# Altium PCB OCP-TimeCardMini-TI_V1.PcbDoc (part 2 of 11) (continued)
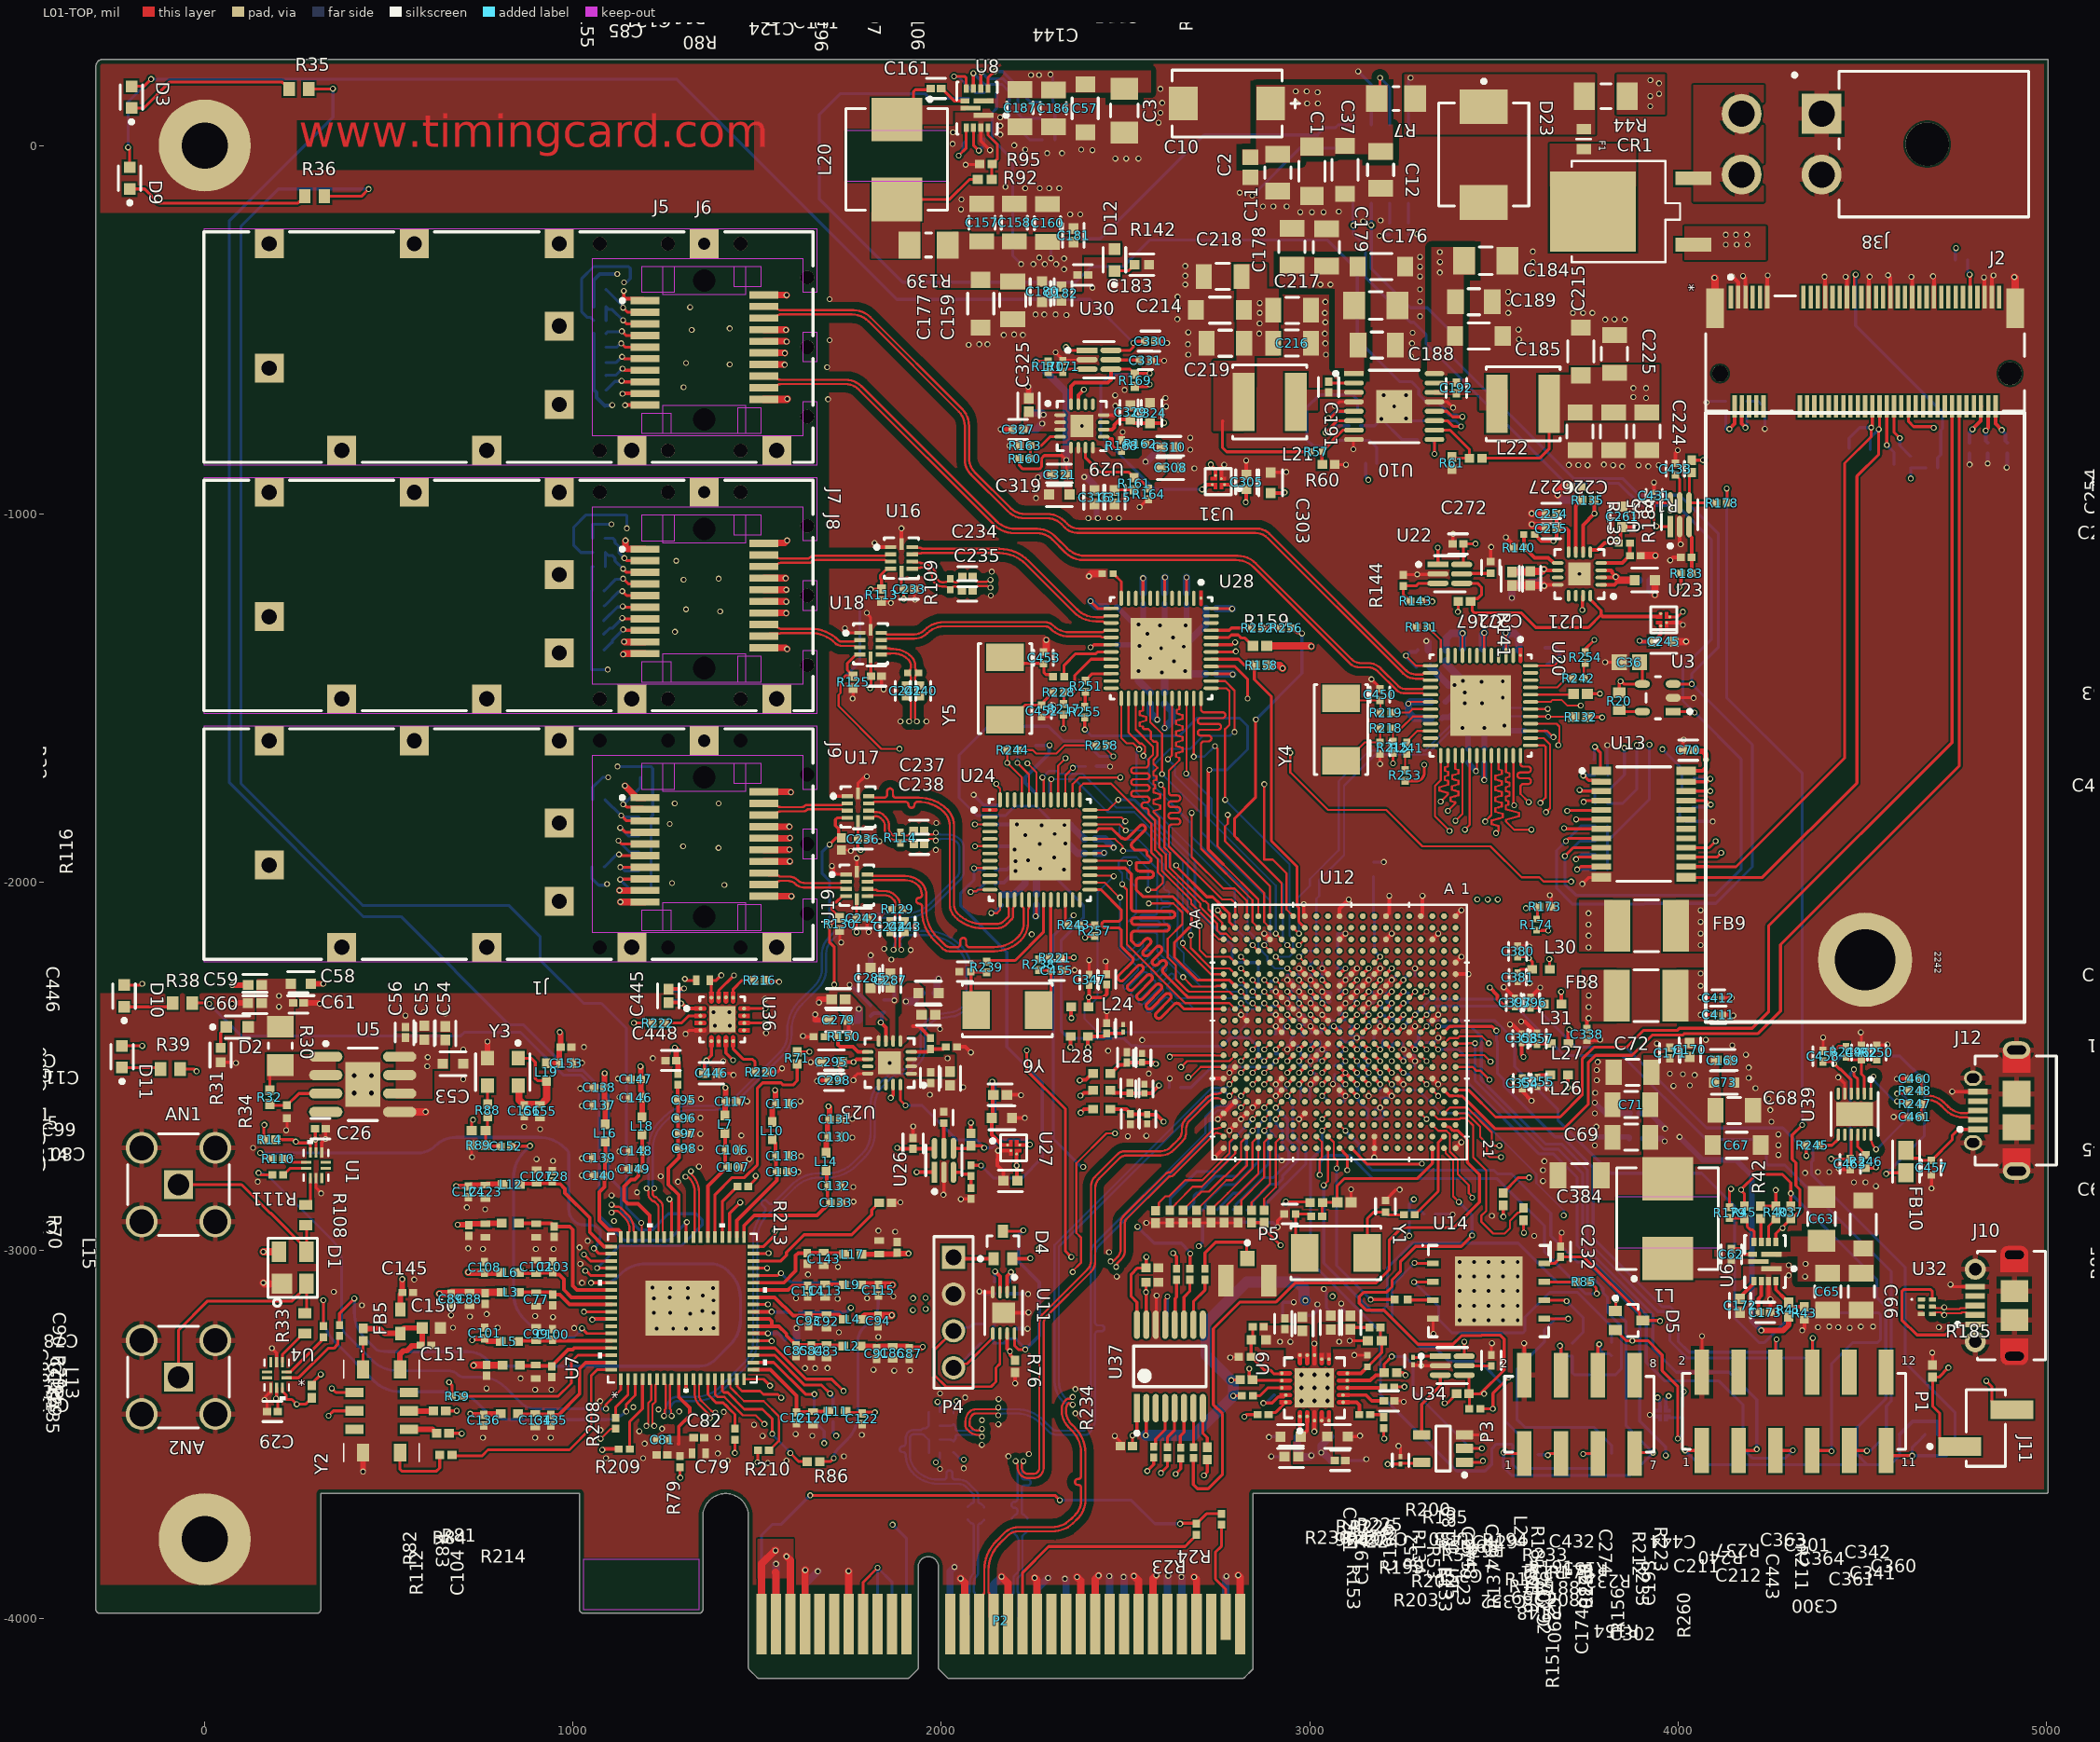
[diagram p0: L01-TOP view]
## Components (designator, comment, footprint, x,y, rotation, side; value= is the part's Value field where it differs from the comment) (continued)
R236 "4.7K_1%_0402" RESC1005X40X25NL10T10 2572.38,-3086.39 r0 top
R237 "49.9_1%_0402" RESC1005X40X25NL10T10 3580.74,-2901.3 r270 top
R238 "DNI_0_5%_0402" RESC1005X40X25LL10T10 2263.78,-2224.01 r90 top
R239 "DNI_0_5%_0402" RESC1005X40X25LL10T10 2122.82,-2230.76 r90 top
R240 "49.9_1%_0402" RESC1005X40X25NL10T10 3525.32,-2860.93 r270 top
R241 "0_5%_0402" RESC1005X40X25LL10T10 3263.72,-1636.08 r270 top
R242 "0_5%_0402" RESC1005X40X25LL10T10 3729.29,-1446.66 r0 top
R243 "0_5%_0402" RESC1005X40X25LL10T10 2359.13,-2116.23 r0 top
R244 "0_5%_0402" RESC1005X40X25LL10T10 2192.76,-1641.6 r0 top
R245 "27_1%_0402" RESC1005X40X25NL05T05 4364.96,-2714.42 r180 top
R246 "27_1%_0402" RESC1005X40X25NL05T05 4510.26,-2758.63 r270 top
R247 "27_1%_0402" RESC1005X40X25NL05T05 4642.57,-2602.42 r180 top
R248 "27_1%_0402" RESC1005X40X25NL05T05 4642.97,-2566.99 r180 top
R249 "10K_1%_0402" RESC1005X40X25LL05T10 4455.83,-2460.73 r90 top
R250 "15K_1%_0402" FP-ERJ2R-MFG 4539.42,-2462.67 r270 top value=15kΩ
R251 "0_5%_0402" RESC1005X40X25LL10T10 2391.42,-1467.96 r270 top
R252 "0_5%_0402" RESC1005X40X25LL10T10 2856.79,-1309.99 r0 top
R253 "0_5%_0402" RESC1005X40X25LL10T10 3259.13,-1710.22 r270 top
R254 "0_5%_0402" RESC1005X40X25LL10T10 3748.38,-1390.05 r90 top
R255 "0_5%_0402" RESC1005X40X25LL10T10 2389.17,-1537.97 r270 top
R256 "0_5%_0402" RESC1005X40X25LL10T10 2936.34,-1309.99 r0 top
R257 "0_5%_0402" RESC1005X40X25LL10T10 2416.11,-2131.85 r270 top
R258 "0_5%_0402" RESC1005X40X25LL10T10 2435.04,-1628.77 r0 top
R259 "DNI_0_5%_0402" RESC1005X40X25LL10T10 1980.32,-3513.53 r0 bottom
R260 "59_1%_0402" RESC1005X40X25ML10T10 3093.46,-2869.82 r180 top
U1 "PI3USB10LP-AZME" ZM10_PER 302.29,-2768.9 r0 top
U2 "INA219BIDR" FP-D0008A-MFG 3192.57,-50.2 r90 bottom
U3 "AT24MAC402-STUM-T" FP-5TS1-IPC_C 3945.12,-1499.46 r180 top
U4 "PI3USB10LP-AZME" ZM10_PER 195.29,-3338.15 r180 top
U5 "LP38512MRX-ADJ/NOPB" MRA08B_M 428.96,-2548.96 r0 top
U6 "AP62600SJ-7" FP-V-QFN2030-12_Type_A-MFG 4236.15,-3030.17 r180 top
U7 "8A34012E-000NLG" QFN_2E-000NLG_REN 1296.88,-3156.59 r90 top
U8 "AP62600SJ-7" FP-V-QFN2030-12_Type_A-MFG 2097.11,101.67 r180 top
U9 "TPS7A8801RTJT" FP-RTJ0020D-MFG 3012.95,-3372.99 r90 top
U10 "TPS542951PWPR" FP-PWP0016K-IPC_C 3229.42,-708.68 r0 top
U11 "AT24C04C-MAHM-T" FP-C04-21355-Q4B-IPC_B 2168.92,-3169.4 r270 top
U12 "AM6411AKCGHAALV" FCBGA441_ALV_TEX 3081.18,-2407.35 r270 top locked
U13 "PCA9548APW,118" FP-SOT355-1-MFG 3907.06,-1842.52 r0 top
U14 "S25FL256SAGNFI001" CYP-WSON-8_L 3485.95,-3110.4 r0 top
U15 "MIC94083YFT-TR" FP-FTDFN085085-4LD-PL-1-MFG 3959.02,-3442.87 r180 bottom
U16 "CBTL01023GM" FP-SOT1049-3-MFG 1891.49,-1119.71 r0 top
U17 "CBTL01023GM" FP-SOT1049-3-MFG 1773.73,-1796.11 r0 top
U18 "CBTL01023GM" FP-SOT1049-3-MFG 1807.74,-1352.71 r0 top
U19 "CBTL01023GM" FP-SOT1049-3-MFG 1770.28,-2008.54 r0 top
U20 "DP83869HMRGZT" FP-RGZ0048B-IPC_A 3463.94,-1520.51 r270 top
U21 "ADP323ACPZ-R7" ADI-CP-16-27_N 3732.4,-1163.14 r180 top
U22 "ADM1085AKSZ-REEL7" FP-KS-6-IPC_B 3380.43,-1163.07 r0 top
U23 "MIC94083YFT-TR" FP-FTDFN085085-4LD-PL-1-MFG 3961.08,-1287.7 r0 top
U24 "DP83869HMRGZT" FP-RGZ0048B-IPC_A 2267.72,-1912.25 r0 top
U25 "ADP323ACPZ-R7" ADI-CP-16-27_N 1859.17,-2490.56 r180 top
U26 "ADM1085AKSZ-REEL7" FP-KS-6-IPC_B 2007.06,-2755.49 r90 top
U27 "MIC94083YFT-TR" FP-FTDFN085085-4LD-PL-1-MFG 2196.44,-2721.37 r270 top
U28 "DP83869HMRGZT" FP-RGZ0048B-IPC_A 2596.72,-1365.23 r270 top
U29 "ADP323ACPZ-R7" ADI-CP-16-27_N 2381.58,-761.32 r0 top
U30 "ADM1085AKSZ-REEL7" FP-KS-6-IPC_B 2427.92,-581.6 r0 top
U31 "MIC94083YFT-TR" FP-FTDFN085085-4LD-PL-1-MFG 2752.21,-912.56 r90 top
U32 "TPD4E004DRYR" DRY0006A 4675.44,-3152.61 r0 top
U33 "SN74LVC1G08DBVR" DBV0005A_M 3362.25,-3537.84 r180 top
U34 "ADM1085AKSZ-REEL7" FP-KS-6-IPC_B 3387.15,-3312.91 r0 top
U35 "ADM1085AKSZ-REEL7" FP-KS-6-IPC_B 4004.47,-1002.46 r90 top
U36 "SI53306-B-GM" FP-SI53306-B-GM-MFG 1405.19,-2372.72 r0 top
U37 "TMUX1208PWR" FP-PW0016A-IPC_A 2620.41,-3314.92 r90 top
U39 "FT234XD-R" FP-DFN-12-IPC_B 4479.31,-2629.86 r270 top
Y1 "ABM7-25.000MHZ-D2Y-T" FP-ABM7-MFG 3071.06,-3006.43 r0 top
Y2 "SiTime_SiT5501AC-WU-33E0-10T" SITIME_SPL-086-CQFN-010-C07050_REV_DRAFT 480.14,-3435.78 r0 top
Y3 "ASEMPC-40.000MHZ-XR-T" FP-ASEMP-CMOS-MFG 809.32,-2515.61 r180 top
Y4 "ABM7-25.000MHZ-D2Y-T" FP-ABM7-MFG 3085.25,-1586.07 r90 top
Y5 "ABM7-25.000MHZ-D2Y-T" FP-ABM7-MFG 2172.9,-1474.75 r90 top
Y6 "ABM7-25.000MHZ-D2Y-T" FP-ABM7-MFG 2179.13,-2347.36 r180 top

## Footprints (in the part's own frame and the unit in brackets; to place one, negate y for a bottom-side part, rotate by r counter-clockwise, add the part's x,y. Pads: shape width x height; smd on the part's side, far side on the other; paste and mask are expansions set on the pad)
61030821121 [mm] "Pin Header, pitch 2.54 mm, SMD, Vertical, dual row, 8p"
  rect 1x3.1 smd: 1(-3.81,-2.7) 2(-3.81,2.7) 3(-1.27,-2.7) 4(-1.27,2.7) 5(1.27,-2.7) 6(1.27,2.7) 7(3.81,-2.7) 8(3.81,2.7)
  silkscreen extent -5.16,-2.62 5.16,2.62, body extent -5.08,-3.75 5.08,3.75, height 9.62
61031221121 [mm] "Pin Header, pitch 2.54 mm, SMD, Vertical, dual row, 12p"
  rect 1x3.1 smd: 1(-6.35,-2.7) 2(-6.35,2.7) 3(-3.81,-2.7) 4(-3.81,2.7) 5(-1.27,-2.7) 6(-1.27,2.7) 7(1.27,-2.7) 8(1.27,2.7) 9(3.81,-2.7) 10(3.81,2.7) 11(6.35,-2.7) 12(6.35,2.7)
  silkscreen extent -7.7,-2.62 7.7,2.62, body extent -7.62,-3.75 7.62,3.75, height 9.62
61300411121 [mm] "Pin Header, pitch 2.54 mm, THT, Vertical, single row, 4p"
  rect 1.6x1.6 hole 1.1: 1(-3.81,0)
  round 1.6 hole 1.1: 2(-1.27,0) 3(1.27,0) 4(3.81,0)
  silkscreen extent -5.23,-1.34 5.23,1.35, body extent -5.08,-1.27 5.08,1.27, height 8.57
ADI-CP-16-27_N [mm] "QFN, 16-Leads, Body 3x3mm, Pitch 0.5mm, Thermal Pad 1.55X1.55mm, IPC Medium Density"
  oval 0.8x0.25 smd: 1(-1.5,0.75) 2(-1.5,0.25) 3(-1.5,-0.25) 4(-1.5,-0.75) 9(1.5,-0.75) 10(1.5,-0.25) 11(1.5,0.25) 12(1.5,0.75)
  oval 0.25x0.8 smd: 5(-0.75,-1.5) 6(-0.25,-1.5) 7(0.25,-1.5) 8(0.75,-1.5) 13(0.75,1.5) 14(0.25,1.5) 15(-0.25,1.5) 16(-0.75,1.5)
  rect 1.55x1.55 smd: 17(0,0)
  silkscreen extent -2.48,-1.7 1.7,1.7, body extent -1.55,-1.55 1.55,1.55, height 0.8
AMPH-901-143-6RFX_V [mm] "THD, 5-Leads, Body 7x7mm, Pitch 2.54mm"
  rect 2x2 hole 1.5: 1(0,0)
  round 2.2 hole 1.7: 2(-2.54,2.54) 3(-2.54,-2.54) 4(2.54,-2.54) 5(2.54,2.54)
  silkscreen extent -3.5,-3.5 3.5,3.5, body extent -3.55,-3.55 3.55,3.55, height 9.86
CAPC1005X06N [mm] "Chip Capacitor, 0402, 2-Leads, Body 1.00x0.50mm, IPC Medium Density"
  rect 0.68x0.64 smd: 1(-0.43,0) 2(0.43,0)
  body extent -0.55,-0.3 0.55,0.3, height 0.6
CAPC1005X55X25LL05T10 [mm] "Chip Capacitor, 2-Leads, Body 1.00x0.50mm, IPC High Density"
  rect 0.56x0.52 smd: 1(-0.39,0) 2(0.39,0)
  body extent -0.53,-0.28 0.53,0.28, height 0.55
CAPC1005X55X30LL05T10 [mm] "Chip Capacitor, 2-Leads, Body 1.00x0.50mm, IPC High Density"
  rect 0.56x0.52 smd: 1(-0.38,0) 2(0.38,0)
  body extent -0.53,-0.28 0.53,0.28, height 0.55
CAPC1005X56X25LL10T15 [mm] "Chip Capacitor, 2-Leads, Body 1.00x0.50mm, IPC High Density"
  rect 0.58x0.54 smd: 1(-0.39,0) 2(0.39,0)
  body extent -0.55,-0.3 0.55,0.3, height 0.56
CAPC1005X56X25NL10T15 [mm] "Chip Capacitor, 2-Leads, Body 1.00x0.50mm, IPC Medium Density"
  rect 0.68x0.64 smd: 1(-0.44,0) 2(0.44,0)
  body extent -0.55,-0.3 0.55,0.3, height 0.56
CAPC1005X60X30LL05T10 [mm] "Chip Capacitor, 2-Leads, Body 1.00x0.50mm, IPC High Density"
  rect 0.56x0.52 smd: 1(-0.38,0) 2(0.38,0)
  body extent -0.53,-0.28 0.53,0.28, height 0.6
CAPC1206(3216)190_N [mm] "Chip Capacitor, Body 3.2x1.6mm, Height 1.9mm, IPC Medium Density"
  rect 1.15x1.8 smd: 1(-1.5,0) 2(1.5,0)
  silkscreen extent -0.55,-0.8 0.55,0.8, body extent -1.7,-0.9 1.7,0.9, height 1.9
CAPC1608X87X35NL15T15 [mm] "Chip Capacitor, 2-Leads, Body 1.60x0.80mm, IPC Medium Density"
  rect 0.9x1 smd: 1(-0.675,0) 2(0.675,0)
  body extent -0.87,-0.48 0.87,0.47, height 0.87
CAPC1608X87X45ML20T05 [mm] "Chip Capacitor, 2-Leads, Body 1.60x0.80mm, IPC Low Density"
  rect 1.05x1.1 smd: 1(-0.7,0) 2(0.7,0)
  body extent -0.9,-0.5 0.9,0.5, height 0.87
CYP-WSON-8_L [mm] "SON, 8-Leads, Body 6x8mm, Pitch 1.27mm, Thermal Pad 4.8x4.65mm, IPC High Density"
  rect 0.8x0.4 smd: 1(-3.84,1.905) 2(-3.84,0.635) 3(-3.84,-0.635) 4(-3.84,-1.905) 5(3.84,-1.905) 6(3.84,-0.635) 7(3.84,0.635) 8(3.84,1.905)
  rect 4.65x4.8 smd paste-2.325: 9(0,0)
  silkscreen extent -4.6,-3.15 4.15,3.2, body extent -4,-3 4,3, height 0.8
DBV0005A_M [mm] "SOT23, 5-Leads, Body 3.05x1.75mm, Pitch 0.95mm, IPC Low Density"
  rrect15% 1.2x0.65 smd: 1(-1.475,0.95) 2(-1.475,0) 3(-1.475,-0.95) 4(1.475,-0.95) 5(1.475,0.95)
  silkscreen extent -1.6,-1.55 0.5,1.95, body extent -1.42,-1.46 1.42,1.46, height 1.08
DRY0006A [mm] "SON, 6-Leads, Body 1.45x1mm, Pitch 0.5mm"
  rrect33% 0.52x0.3 smd: 1(-0.37,0.5)
  rrect33% 0.49x0.3 smd: 2(-0.385,0) 3(-0.385,-0.5) 4(0.385,-0.5) 5(0.385,0) 6(0.385,0.5)
  silkscreen extent -1.08,0.45 -0.98,0.55, body extent -0.5,-0.72 0.5,0.72, height 0.6
FCBGA441_ALV_TEX [mil]
  round 16 smd paste+0 mask+0: A1(-315,315) A2(-283.5,315) A3(-252,315) A4(-220.5,315) A5(-189,315) A6(-157.5,315) A7(-126,315) A8(-94.5,315) A9(-63,315) A10(-31.5,315) A11(0,315) A12(31.5,315) A13(63,315) A14(94.5,315) A15(126,315) A16(157.5,315) A17(189,315) A18(220.5,315) A19(252,315) A20(283.5,315) A21(315,315) AA1(-315,-315) AA2(-283.5,-315) AA3(-252,-315) AA4(-220.5,-315) AA5(-189,-315) AA6(-157.5,-315) AA7(-126,-315) AA8(-94.5,-315) AA9(-63,-315) AA10(-31.5,-315) AA11(0,-315) AA12(31.5,-315) AA13(63,-315) AA14(94.5,-315) AA15(126,-315) AA16(157.5,-315) AA17(189,-315) AA18(220.5,-315) AA19(252,-315) AA20(283.5,-315) AA21(315,-315) B1(-315,283.5) B2(-283.5,283.5) B3(-252,283.5) B4(-220.5,283.5) B5(-189,283.5) B6(-157.5,283.5) B7(-126,283.5) B8(-94.5,283.5) B9(-63,283.5) B10(-31.5,283.5) B11(0,283.5) B12(31.5,283.5) B13(63,283.5) B14(94.5,283.5) B15(126,283.5) B16(157.5,283.5) B17(189,283.5) B18(220.5,283.5) B19(252,283.5) B20(283.5,283.5) B21(315,283.5) C1(-315,252) C2(-283.5,252) C3(-252,252) C4(-220.5,252) C5(-189,252) C6(-157.5,252) C7(-126,252) C8(-94.5,252) C9(-63,252) C10(-31.5,252) C11(0,252) C12(31.5,252) C13(63,252) C14(94.5,252) C15(126,252) C16(157.5,252) C17(189,252) C18(220.5,252) C19(252,252) C20(283.5,252) C21(315,252) D1(-315,220.5) D2(-283.5,220.5) D3(-252,220.5) D4(-220.5,220.5) D5(-189,220.5) D6(-157.5,220.5) D7(-126,220.5) D8(-94.5,220.5) D9(-63,220.5) D10(-31.5,220.5) D11(0,220.5) D12(31.5,220.5) D13(63,220.5) D14(94.5,220.5) D15(126,220.5) D16(157.5,220.5) D17(189,220.5) D18(220.5,220.5) D19(252,220.5) D20(283.5,220.5) D21(315,220.5) E1(-315,189) E2(-283.5,189) E3(-252,189) E4(-220.5,189) E5(-189,189) E6(-157.5,189) E7(-126,189) E8(-94.5,189) E9(-63,189) E10(-31.5,189) E11(0,189) E12(31.5,189) E13(63,189) E14(94.5,189) E15(126,189) E16(157.5,189) E17(189,189) E18(220.5,189) E19(252,189) E20(283.5,189) E21(315,189) F1(-315,157.5) F2(-283.5,157.5) F3(-252,157.5) F4(-220.5,157.5) F5(-189,157.5) F6(-157.5,157.5) F7(-126,157.5) F8(-94.5,157.5) F9(-63,157.5) F10(-31.5,157.5) F11(0,157.5) F12(31.5,157.5) F13(63,157.5) F14(94.5,157.5) F15(126,157.5) F16(157.5,157.5) F17(189,157.5) F18(220.5,157.5) F19(252,157.5) F20(283.5,157.5) F21(315,157.5) G1(-315,126) G2(-283.5,126) G3(-252,126) G4(-220.5,126) G5(-189,126) G6(-157.5,126) G7(-126,126) G8(-94.5,126) G9(-63,126) G10(-31.5,126) G11(0,126) G12(31.5,126) G13(63,126) G14(94.5,126) G15(126,126) G16(157.5,126) G17(189,126) G18(220.5,126) G19(252,126) G20(283.5,126) G21(315,126) H1(-315,94.5) H2(-283.5,94.5) H3(-252,94.5) H4(-220.5,94.5) H5(-189,94.5) H6(-157.5,94.5) H7(-126,94.5) H8(-94.5,94.5) H9(-63,94.5) H10(-31.5,94.5) H11(0,94.5) H12(31.5,94.5) H13(63,94.5) H14(94.5,94.5) H15(126,94.5) H16(157.5,94.5) H17(189,94.5) H18(220.5,94.5) H19(252,94.5) H20(283.5,94.5) H21(315,94.5) J1(-315,63) J2(-283.5,63) J3(-252,63) J4(-220.5,63) J5(-189,63) J6(-157.5,63) J7(-126,63) J8(-94.5,63) J9(-63,63) J10(-31.5,63) J11(0,63) J12(31.5,63) J13(63,63) J14(94.5,63) J15(126,63) J16(157.5,63) J17(189,63) J18(220.5,63) J19(252,63) J20(283.5,63) J21(315,63) K1(-315,31.5) K2(-283.5,31.5) K3(-252,31.5) K4(-220.5,31.5) K5(-189,31.5) K6(-157.5,31.5) K7(-126,31.5) K8(-94.5,31.5) K9(-63,31.5) K10(-31.5,31.5) K11(0,31.5) K12(31.5,31.5) K13(63,31.5) K14(94.5,31.5) K15(126,31.5) K16(157.5,31.5) K17(189,31.5) K18(220.5,31.5) K19(252,31.5) K20(283.5,31.5) K21(315,31.5) L1(-315,0) L2(-283.5,0) L3(-252,0) L4(-220.5,0) L5(-189,0) L6(-157.5,0) L7(-126,0) L8(-94.5,0) L9(-63,0) L10(-31.5,0) L11(0,0) L12(31.5,0) L13(63,0) L14(94.5,0) L15(126,0) L16(157.5,0) L17(189,0) L18(220.5,0) L19(252,0) L20(283.5,0) L21(315,0) M1(-315,-31.5) M2(-283.5,-31.5) M3(-252,-31.5) M4(-220.5,-31.5) M5(-189,-31.5) M6(-157.5,-31.5) M7(-126,-31.5) M8(-94.5,-31.5) M9(-63,-31.5) M10(-31.5,-31.5) M11(0,-31.5) M12(31.5,-31.5) M13(63,-31.5) M14(94.5,-31.5) M15(126,-31.5) M16(157.5,-31.5) M17(189,-31.5) M18(220.5,-31.5) M19(252,-31.5) M20(283.5,-31.5) M21(315,-31.5) N1(-315,-63) N2(-283.5,-63) N3(-252,-63) N4(-220.5,-63) N5(-189,-63) N6(-157.5,-63) N7(-126,-63) N8(-94.5,-63) N9(-63,-63) N10(-31.5,-63) N11(0,-63) N12(31.5,-63) N13(63,-63) N14(94.5,-63) N15(126,-63) N16(157.5,-63) N17(189,-63) N18(220.5,-63) N19(252,-63) N20(283.5,-63) N21(315,-63) P1(-315,-94.5) P2(-283.5,-94.5) P3(-252,-94.5) P4(-220.5,-94.5) P5(-189,-94.5) P6(-157.5,-94.5) P7(-126,-94.5) P8(-94.5,-94.5) P9(-63,-94.5) P10(-31.5,-94.5) P11(0,-94.5) P12(31.5,-94.5) P13(63,-94.5) P14(94.5,-94.5) P15(126,-94.5) P16(157.5,-94.5) P17(189,-94.5) P18(220.5,-94.5) P19(252,-94.5) P20(283.5,-94.5) P21(315,-94.5) R1(-315,-126) R2(-283.5,-126) R3(-252,-126) R4(-220.5,-126) R5(-189,-126) R6(-157.5,-126) R7(-126,-126) R8(-94.5,-126) R9(-63,-126) R10(-31.5,-126) R11(0,-126) R12(31.5,-126) R13(63,-126) R14(94.5,-126) R15(126,-126) R16(157.5,-126) R17(189,-126) R18(220.5,-126) R19(252,-126) R20(283.5,-126) R21(315,-126) T1(-315,-157.5) T2(-283.5,-157.5) T3(-252,-157.5) T4(-220.5,-157.5) T5(-189,-157.5) T6(-157.5,-157.5) T7(-126,-157.5) T8(-94.5,-157.5) T9(-63,-157.5) T10(-31.5,-157.5) T11(0,-157.5) T12(31.5,-157.5) T13(63,-157.5) T14(94.5,-157.5) T15(126,-157.5) T16(157.5,-157.5) T17(189,-157.5) T18(220.5,-157.5) T19(252,-157.5) T20(283.5,-157.5) T21(315,-157.5) U1(-315,-189) U2(-283.5,-189) U3(-252,-189) U4(-220.5,-189) U5(-189,-189) U6(-157.5,-189) U7(-126,-189) U8(-94.5,-189) U9(-63,-189) U10(-31.5,-189) U11(0,-189) U12(31.5,-189) U13(63,-189) U14(94.5,-189) U15(126,-189) U16(157.5,-189) U17(189,-189) U18(220.5,-189) U19(252,-189) U20(283.5,-189) U21(315,-189) V1(-315,-220.5) V2(-283.5,-220.5) V3(-252,-220.5) V4(-220.5,-220.5) V5(-189,-220.5) V6(-157.5,-220.5) V7(-126,-220.5) V8(-94.5,-220.5) V9(-63,-220.5) V10(-31.5,-220.5) V11(0,-220.5) V12(31.5,-220.5) V13(63,-220.5) V14(94.5,-220.5) V15(126,-220.5) V16(157.5,-220.5) V17(189,-220.5) V18(220.5,-220.5) V19(252,-220.5) V20(283.5,-220.5) V21(315,-220.5) W1(-315,-252) W2(-283.5,-252) W3(-252,-252) W4(-220.5,-252) W5(-189,-252) W6(-157.5,-252) W7(-126,-252) W8(-94.5,-252) W9(-63,-252) W10(-31.5,-252) W11(0,-252) W12(31.5,-252) W13(63,-252) W14(94.5,-252) W15(126,-252) W16(157.5,-252) W17(189,-252) W18(220.5,-252) W19(252,-252) W20(283.5,-252) W21(315,-252) Y1(-315,-283.5) Y2(-283.5,-283.5) Y3(-252,-283.5) Y4(-220.5,-283.5) Y5(-189,-283.5) Y6(-157.5,-283.5) Y7(-126,-283.5) Y8(-94.5,-283.5) Y9(-63,-283.5) Y10(-31.5,-283.5) Y11(0,-283.5) Y12(31.5,-283.5) Y13(63,-283.5) Y14(94.5,-283.5) Y15(126,-283.5) Y16(157.5,-283.5) Y17(189,-283.5) Y18(220.5,-283.5) Y19(252,-283.5) Y20(283.5,-283.5) Y21(315,-283.5)
  Keep-Out Layer region: -728.05,2493.97 -728.05,3190.47 -31.55,3190.47 -31.55,2493.97
  silkscreen extent -351,-351 351,351, body extent -341,-341 341,341, height 104
FP-5TS1-IPC_C [mm]
  rect 1.038x0.532 smd paste+0 mask+0: 1(-1.066,0.95)
  rrect100% 1.038x0.532 smd paste+0 mask+0: 2(-1.066,0) 3(-1.066,-0.95) 4(1.066,-0.95) 5(1.066,0.95)
  silkscreen extent -2.34,-1.45 0.8,1.45, body extent -1.69,-1.55 1.69,1.55, height 0.25
FP-39-30-0040-MFG [mil]
  rect 108.27x108.27 hole 70.87 paste-39370.1 mask+0: 1(82.5,297)
  round 108.27 hole 70.87 paste-39370.1 mask+0: 2(-82.5,297) 3(82.5,514) 4(-82.5,514)
  round 118 hole 118 unplated paste-39370.1 mask+0: ""(0,10)
  silkscreen extent -198,-265 197,375, body extent -201,-269 201,572, height 10
FP-0402-L_1_0_0_05-W_0_5-IPC_A [mil]
  rect 28.16x26.48 smd paste+0 mask+0: 1(-18.84,0) 2(18.84,0)
  silkscreen extent -33,-29 33,29, body extent -20,-10 20,10, height 22
FP-0402-L_1_0_1-W_0_5_0_1-IPC_C [mil]
  rect 22.88x20.16 smd paste+0 mask+0: 1(-14.39,0) 2(14.39,0)
  silkscreen extent -26,-28 26,28, body extent -20,-10 20,10, height 22
FP-0603-L_1_6_0_2-W_0_8_0-MFG [mm]
  rect 0.7x0.7 smd paste+0 mask+0: 1(-0.7,0) 2(0.7,0)
  silkscreen extent -0.9,-0.82 0.9,0.82, body extent -0.8,-0.4 0.8,0.4, height 1
FP-1206-L_3_2_0_2-W_1_6_0-IPC_A [mil]
  rect 59.24x75.05 smd paste+0 mask+0: 1(-59.09,0) 2(59.09,0)
  silkscreen extent -18,-38 18,38, body extent -108,-57 108,57, height 10
FP-1206-L_3_2_0_2-W_1_6_0-IPC_C [mil]
  rect 43.49x67.17 smd paste+0 mask+0: 1(-51.21,0) 2(51.21,0)
  silkscreen extent -18,-35 18,35, body extent -77,-39 77,39, height 10
FP-87898-0204-MFG [mm]
  rect 1.27x2.96 smd paste+0 mask+0: 1(-1.27,1.8) 2(1.27,-1.8)
  silkscreen extent -2.64,-1.36 2.64,3.97, body extent -2.74,-3.38 2.74,3.38, height 0.25
FP-2199119-3-MFG [mm]
  rect 0.3x1.55 smd paste+0 mask+0: 1(-9.25,3.9) 2(-9,-3.65) 3(-8.75,3.9) 4(-8.5,-3.65) 5(-8.25,3.9) 6(-8,-3.65) 7(-7.75,3.9) 8(-7.5,-3.65) 9(-7.25,3.9) 10(-7,-3.65) 11(-6.75,3.9) 20(-4.5,-3.65) 21(-4.25,3.9) 22(-4,-3.65) 23(-3.75,3.9) 24(-3.5,-3.65) 25(-3.25,3.9) 26(-3,-3.65) 27(-2.75,3.9) 28(-2.5,-3.65) 29(-2.25,3.9) 30(-2,-3.65) 31(-1.75,3.9) 32(-1.5,-3.65) 33(-1.25,3.9) 34(-1,-3.65) 35(-0.75,3.9) 36(-0.5,-3.65) 37(-0.25,3.9) 38(0,-3.65) 39(0.25,3.9) 40(0.5,-3.65) 41(0.75,3.9) 42(1,-3.65) 43(1.25,3.9) 44(1.5,-3.65) 45(1.75,3.9) 46(2,-3.65) 47(2.25,3.9) 48(2.5,-3.65) 49(2.75,3.9) 50(3,-3.65) 51(3.25,3.9) 52(3.5,-3.65) 53(3.75,3.9) 54(4,-3.65) 55(4.25,3.9) 56(4.5,-3.65) 57(4.75,3.9) 58(5,-3.65) 59(5.25,3.9) 60(5.5,-3.65) 61(5.75,3.9) 62(6,-3.65) 63(6.25,3.9) 64(6.5,-3.65) 65(6.75,3.9) 66(7,-3.65) 67(7.25,3.9) 68(7.5,-3.65) 69(7.75,3.9) 70(8,-3.65) 71(8.25,3.9) 72(8.5,-3.65) 73(8.75,3.9) 74(9,-3.65) 75(9.25,3.9)
  rect 1.2x2.75 smd paste+0 mask+0: 76(-10.35,3.125) 77(10.35,3.125)
  round 1.1 hole 1.1 unplated paste-1000 mask+0: ""(-10,-1.375)
  round 1.6 hole 1.6 unplated paste-1000 mask+0: ""(10,-1.375)
  silkscreen extent -11,-3.98 11,5.4, body extent -11.1,-4.52 11.1,4.77, height 0.25
FP-742792641-MFG [mm]
  rect 0.95x0.7 smd paste+0 mask+0: 1(-0.825,0) 2(0.825,0)
  body extent -1.4,-0.6 1.4,0.6, height 0.25
FP-ABM7-MFG [mm]
  rect 1.9x2.6 smd paste+0 mask+0: 1(-2.15,0) 2(2.15,0)
  silkscreen extent -3.1,-1.85 3.1,1.85, body extent -3.2,-1.95 3.2,1.95, height 0.25
FP-AC0402-0_37-IPC_B [mil]
  rect 24.23x22.54 smd paste+0 mask+0: 1(-16.87,0) 2(16.87,0)
  body extent -35,-17 35,17, height 10
FP-ASEMP-CMOS-MFG [mm]
  rect 0.9x1 smd paste+0 mask+0: 1(-1.05,-0.95) 3(1.05,-0.95) 4(1.05,0.95) 6(-1.05,0.95)
  silkscreen extent -1.87,-2.12 1.87,1.28, body extent -1.73,-1.55 1.73,1.55, height 0.25
FP-BLM18-0_15-t0_8-IPC_A [mil]
  rect 51.42x41.66 smd paste+0 mask+0: 1(-30.55,0) 2(30.55,0)
  silkscreen extent -56,-37 56,37, body extent -76,-41 76,41, height 10
FP-BLM18-0_15-t0_8-IPC_B [mil]
  rect 43.55x37.73 smd paste+0 mask+0: 1(-26.62,0) 2(26.62,0)
  body extent -31,-16 31,16, height 37
FP-C04-21355-Q4B-IPC_B [mm]
  rect 0.861x0.239 smd paste+0 mask+0: 1(-1.426,0.75)
  rrect100% 0.861x0.239 smd paste+0 mask+0: 2(-1.426,0.25) 3(-1.426,-0.25) 4(-1.426,-0.75) 5(1.426,-0.75) 6(1.426,-0.25) 7(1.426,0.25) 8(1.426,0.75)
  rect 1.4x1.6 smd paste-1000 mask+0: 9(0,0)
  silkscreen extent -2.57,-1.3 1.5,1.3, body extent -2.11,-1.25 2.11,1.25, height 0.25
FP-C0402-BB-MFG [mm]
  rect 0.52x0.52 smd paste+0 mask+0: 1(-0.4,0) 2(0.4,0)
  silkscreen extent -0.5,-0.64 0.5,0.64, body extent -0.8,-0.4 0.8,0.4, height 0.25
FP-C0603C106M9PACTU-MFG [mm]
  rect 0.75x0.9 smd paste+0 mask+0: 1(-0.6,0) 2(0.6,0)
  silkscreen extent -0.88,-0.83 0.87,0.82, body extent -0.8,-0.4 0.8,0.4, height 0.9
FP-C1005-050-0_05-IPC_A [mil]
  rect 29.11x26.48 smd paste+0 mask+0: 1(-18.37,0) 2(18.37,0)
  silkscreen extent -33,-29 33,29, body extent -20,-10 20,10, height 22
FP-C1005-050-0_05-IPC_C [mil]
  rect 21.23x18.6 smd paste+0 mask+0: 1(-14.43,0) 2(14.43,0)
  body extent -29,-15 29,15, height 10
FP-C3216-160-0_2-MFG [mm]
  rect 1.1x1.35 smd paste+0 mask+0: 1(-1.65,0) 2(1.65,0)
  silkscreen extent -0.73,-0.9 0.73,0.9, body extent -2.3,-1 2.3,1, height 0.25
FP-CBR04C-MFG [mm]
  rect 0.52x0.52 smd paste+0 mask+0: 1(-0.4,0) 2(0.4,0)
  silkscreen extent -0.53,-0.68 0.53,0.67, body extent -0.8,-0.4 0.8,0.4, height 0.25
FP-CC0402-MFG [mm]
  rect 0.5x0.5 smd paste+0 mask+0: 1(-0.5,0) 2(0.5,0)
  silkscreen extent -0.53,-0.68 0.53,0.67, body extent -0.87,-0.48 0.87,0.48, height 0.25
FP-CL03-IPC_B [mil]
  rect 17.88x14.28 smd paste+0 mask+0: 1(-11.98,0) 2(11.98,0)
  silkscreen extent -21,-23 21,23, body extent -12,-6 12,6, height 13
FP-CL03-IPC_C [mil]
  rect 13.94x10.34 smd paste+0 mask+0: 1(-10.01,0) 2(10.01,0)
  silkscreen extent -17,-22 17,22, body extent -12,-6 12,6, height 13
FP-CL05A106MP5NUNC-MFG [mm]
  rect 0.45x0.675 smd paste+0 mask+0: 1(-0.463,0) 2(0.462,0)
  silkscreen extent -0.6,-0.62 0.6,0.63, body extent -0.5,-0.25 0.5,0.25, height 0.7
FP-CL10-IPC_C [mil]
  rect 29.85x31.97 smd paste+0 mask+0: 1(-24.68,0) 2(24.69,0)
  body extent -44,-22 44,22, height 10
FP-CL165-IPC_C [mil]
  rect 20.29x18.6 smd paste+0 mask+0: 1(-14.9,0) 2(14.9,0)
  silkscreen extent -25,-27 25,27, body extent -29,-15 29,15, height 10
FP-CL829-IPC_C [mil]
  rect 20.29x18.6 smd paste+0 mask+0: 1(-14.9,0) 2(14.9,0)
  silkscreen extent -25,-27 25,27, body extent -20,-10 20,10, height 22
FP-D0008A-MFG [mm]
  rrect17% 1.55x0.6 smd paste+0 mask+0: 1(-2.7,1.905) 2(-2.7,0.635) 3(-2.7,-0.635) 4(-2.7,-1.905) 5(2.7,-1.905) 6(2.7,-0.635) 7(2.7,0.635) 8(2.7,1.905)
  silkscreen extent -4.17,-2.5 1.5,2.5, body extent -3,-2.45 3,2.45, height 1.75
FP-DFN-12-IPC_B [mm]
  rect 0.84x0.222 smd paste+0 mask+0: 1(-1.416,1.125)
  rrect100% 0.84x0.222 smd paste+0 mask+0: 2(-1.416,0.675) 3(-1.416,0.225) 4(-1.416,-0.225) 5(-1.416,-0.675) 6(-1.416,-1.125) 7(1.416,-1.125) 8(1.416,-0.675) 9(1.416,-0.225) 10(1.416,0.225) 11(1.416,0.675) 12(1.416,1.125)
  rect 1.65x2.55 smd paste-1000 mask+0: 13(0,0)
  silkscreen extent -2.51,-1.63 1.5,1.63
FP-DO-214AB_SMC_J-Bend-MFG [mm]
  rect 2.4x3.3 smd paste+0 mask+0: 1(-3.3,0) 2(3.3,0)
  silkscreen extent -5.17,-3.11 3.55,3.11, body extent -4.6,-3.21 4.6,3.21, height 0.25
FP-ERJ2R-MFG [mm]
  rect 0.475x0.5 smd paste+0 mask+0: 1(-0.512,0) 2(0.513,0)
  silkscreen extent -0.53,-0.64 0.53,0.65, body extent -0.85,-0.38 0.85,0.38, height 0.25
FP-ERJ2RK-IPC_A [mil]
  rect 26.31x26.48 smd paste+0 mask+0: 1(-19.77,0) 2(19.77,0)
  silkscreen extent -33,-29 33,29, body extent -41,-21 41,21, height 10
FP-FTDFN085085-4LD-PL-1-MFG [mm]
  round 0.198 smd paste-1000 mask+0: 1(-0.2,-0.42) 2(0.2,-0.2) 3(0.42,0.2) 4(-0.2,0.42)
  L01-TOP region: -0.53,-0.09 -0.09,-0.09 -0.09,-0.53 -0.32,-0.53 -0.32,-0.32 -0.53,-0.32
  L01-TOP region: 0.53,-0.09 0.09,-0.09 0.09,-0.525 0.32,-0.53 0.32,-0.32 0.53,-0.32
  L01-TOP region: 0.53,0.09 0.09,0.09 0.09,0.53 0.32,0.53 0.32,0.32 0.53,0.32
  L01-TOP region: -0.53,0.09 -0.09,0.09 -0.09,0.53 -0.32,0.53 -0.32,0.32 -0.53,0.32
  silkscreen extent -0.9,-1.57 0.9,0.9, body extent -0.43,-0.43 0.43,0.43, height 0.6
FP-GRM31C-0_2-e0_3_0_8-IPC_C [mil]
  rect 45.46x67.17 smd paste+0 mask+0: 1(-50.23,0) 2(50.23,0)
  silkscreen extent -16,-35 16,35, body extent -77,-39 77,39, height 10
FP-GRM033-0_03-IPC_A [mil]
  rect 21.82x18.22 smd paste+0 mask+0: 1(-13.95,0) 2(13.95,0)
  silkscreen extent -25,-25 25,25, body extent -12,-6 12,6, height 13
FP-GRM033-0_03-IPC_C [mil]
  rect 13.94x10.34 smd paste+0 mask+0: 1(-10.01,0) 2(10.01,0)
  silkscreen extent -17,-22 17,22, body extent -12,-6 12,6, height 13
FP-GRM035-0_09-IPC_B [mil]
  rect 18.77x15.88 smd paste+0 mask+0: 1(-12.34,0) 2(12.34,0)
  silkscreen extent -22,-24 22,24, body extent -12,-6 12,6, height 22
FP-ILHB1812-IPC_A [mil]
  rect 71x139.96 smd paste+0 mask+0: 1(-79.75,0) 2(79.75,0)
  silkscreen extent -32,-70 32,70, body extent -135,-90 135,90, height 10
FP-KS-6-IPC_B [mm]
  rect 1.464x0.376 smd paste+0 mask+0: 1(-0.82,0.65)
  rrect100% 1.464x0.376 smd paste+0 mask+0: 2(-0.82,0) 3(-0.82,-0.65) 4(0.82,-0.65) 5(0.82,0) 6(0.82,0.65)
  silkscreen extent -2.27,-1.25 1.05,1.25, body extent -1.8,-1.25 1.8,1.25, height 0.25
FP-LTST-C191KGKT-MFG [mm]
  rect 0.8x0.8 smd paste+0 mask+0: 1(-0.75,0) 2(0.75,0)
  silkscreen extent -1.82,-0.77 0.85,0.77, body extent -1.25,-0.55 1.25,0.55, height 0.25
FP-MK316L-MFG [mm]
  rect 1.25x1.6 smd paste+0 mask+0: 1(-1.7,0) 2(1.7,0)
  silkscreen extent -0.7,-0.9 0.7,0.9, body extent -2.42,-1 2.42,1, height 0.25
FP-NFM15-0_1-MFG [mm]
  rect 0.3x0.3 smd paste+0 mask+0: 1(-0.5,0) 3(0.5,0)
  rect 0.25x0.25 smd paste+0 mask+0: 2(0,-0.25) 2(0,0.25)
  silkscreen extent -1.37,-0.75 0.55,0.75, body extent -0.5,-0.25 0.5,0.25, height 0.5
FP-NRS5030-H_3_1-MFG [mm]
  rect 1.5x4 smd paste+0 mask+0: 1(-1.8,0) 2(1.8,0)
  silkscreen extent -2.55,-2.55 2.55,2.55, body extent -2.65,-2.65 2.65,2.65, height 0.25
FP-PW0016A-IPC_A [mm]
  rect 1.955x0.421 smd paste+0 mask+0: 1(-2.875,2.275)
  rrect100% 1.955x0.421 smd paste+0 mask+0: 2(-2.875,1.625) 3(-2.875,0.975) 4(-2.875,0.325) 5(-2.875,-0.325) 6(-2.875,-0.975) 7(-2.875,-1.625) 8(-2.875,-2.275) 9(2.875,-2.275) 10(2.875,-1.625) 11(2.875,-0.975) 12(2.875,-0.325) 13(2.875,0.325) 14(2.875,0.975) 15(2.875,1.625) 16(2.875,2.275)
  silkscreen extent -4.73,-2.5 1.4,2.5, body extent -4.35,-3 4.35,3, height 0.25
FP-PWP0016K-IPC_C [mm]
  rect 1.355x0.341 smd paste+0 mask+0: 1(-2.775,2.275)
  rrect100% 1.355x0.341 smd paste+0 mask+0: 2(-2.775,1.625) 3(-2.775,0.975) 4(-2.775,0.325) 5(-2.775,-0.325) 6(-2.775,-0.975) 7(-2.775,-1.625) 8(-2.775,-2.275) 9(2.775,-2.275) 10(2.775,-1.625) 11(2.775,-0.975) 12(2.775,-0.325) 13(2.775,0.325) 14(2.775,0.975) 15(2.775,1.625) 16(2.775,2.275)
  rect 2.46x2.3 smd paste-1000 mask+0: 17(0,0)
  silkscreen extent -4.15,-2.5 1.72,2.5, body extent -3.55,-2.6 3.55,2.6, height 0.25
FP-RGZ0048B-IPC_A [mm]
  round 0.215 smd paste+0 mask+0: 1(-3.463,2.75)
  rrect100% 1.057x0.239 smd paste+0 mask+0: 2(-3.451,2.25) 3(-3.451,1.75) 4(-3.451,1.25) 5(-3.451,0.75) 6(-3.451,0.25) 7(-3.451,-0.25) 8(-3.451,-0.75) 9(-3.451,-1.25) 10(-3.451,-1.75) 11(-3.451,-2.25) 12(-3.451,-2.75) 25(3.451,-2.75) 26(3.451,-2.25) 27(3.451,-1.75) 28(3.451,-1.25) 29(3.451,-0.75) 30(3.451,-0.25) 31(3.451,0.25) 32(3.451,0.75) 33(3.451,1.25) 34(3.451,1.75) 35(3.451,2.25) 36(3.451,2.75)
  rrect100% 0.239x1.057 smd paste+0 mask+0: 13(-2.75,-3.451) 14(-2.25,-3.451) 15(-1.75,-3.451) 16(-1.25,-3.451) 17(-0.75,-3.451) 18(-0.25,-3.451) 19(0.25,-3.451) 20(0.75,-3.451) 21(1.25,-3.451) 22(1.75,-3.451) 23(2.25,-3.451) 24(2.75,-3.451) 37(2.75,3.451) 38(2.25,3.451) 39(1.75,3.451) 40(1.25,3.451) 41(0.75,3.451) 42(0.25,3.451) 43(-0.25,3.451) 44(-0.75,3.451) 45(-1.25,3.451) 46(-1.75,3.451) 47(-2.25,3.451) 48(-2.75,3.451)
  rect 4.2x4.2 smd paste-1000 mask+0: 49(0,0)
  L01-TOP region: -3.979,2.87 -3.042,2.87 -2.996,2.861 -2.957,2.835 -2.931,2.796 -2.922,2.75 -2.922,2.75 -2.938,2.69 -2.982,2.646 -3.042,2.63 -3.042,2.63 -3.979,2.63
  silkscreen extent -4.68,-3.5 3.5,3.5, body extent -4.48,-4.48 4.48,4.48, height 0.25